# Altium PCB RFID final_backup.PcbDoc (part 2 of 4)
Units mil, origin at the board's own origin, x right, y up, seen from the top; angles counter-clockwise.
Board outline 3215.77 x 4275.01 mil, 6 copper layers (Top Layer, RF_Ground, Power, Gnd, Routing, Bottom_Gnd), stack 29.392 mil thick; 305 components, 201 nets, 970 pads, 737 vias.
Unrouted connection lines stored in the file: 2.
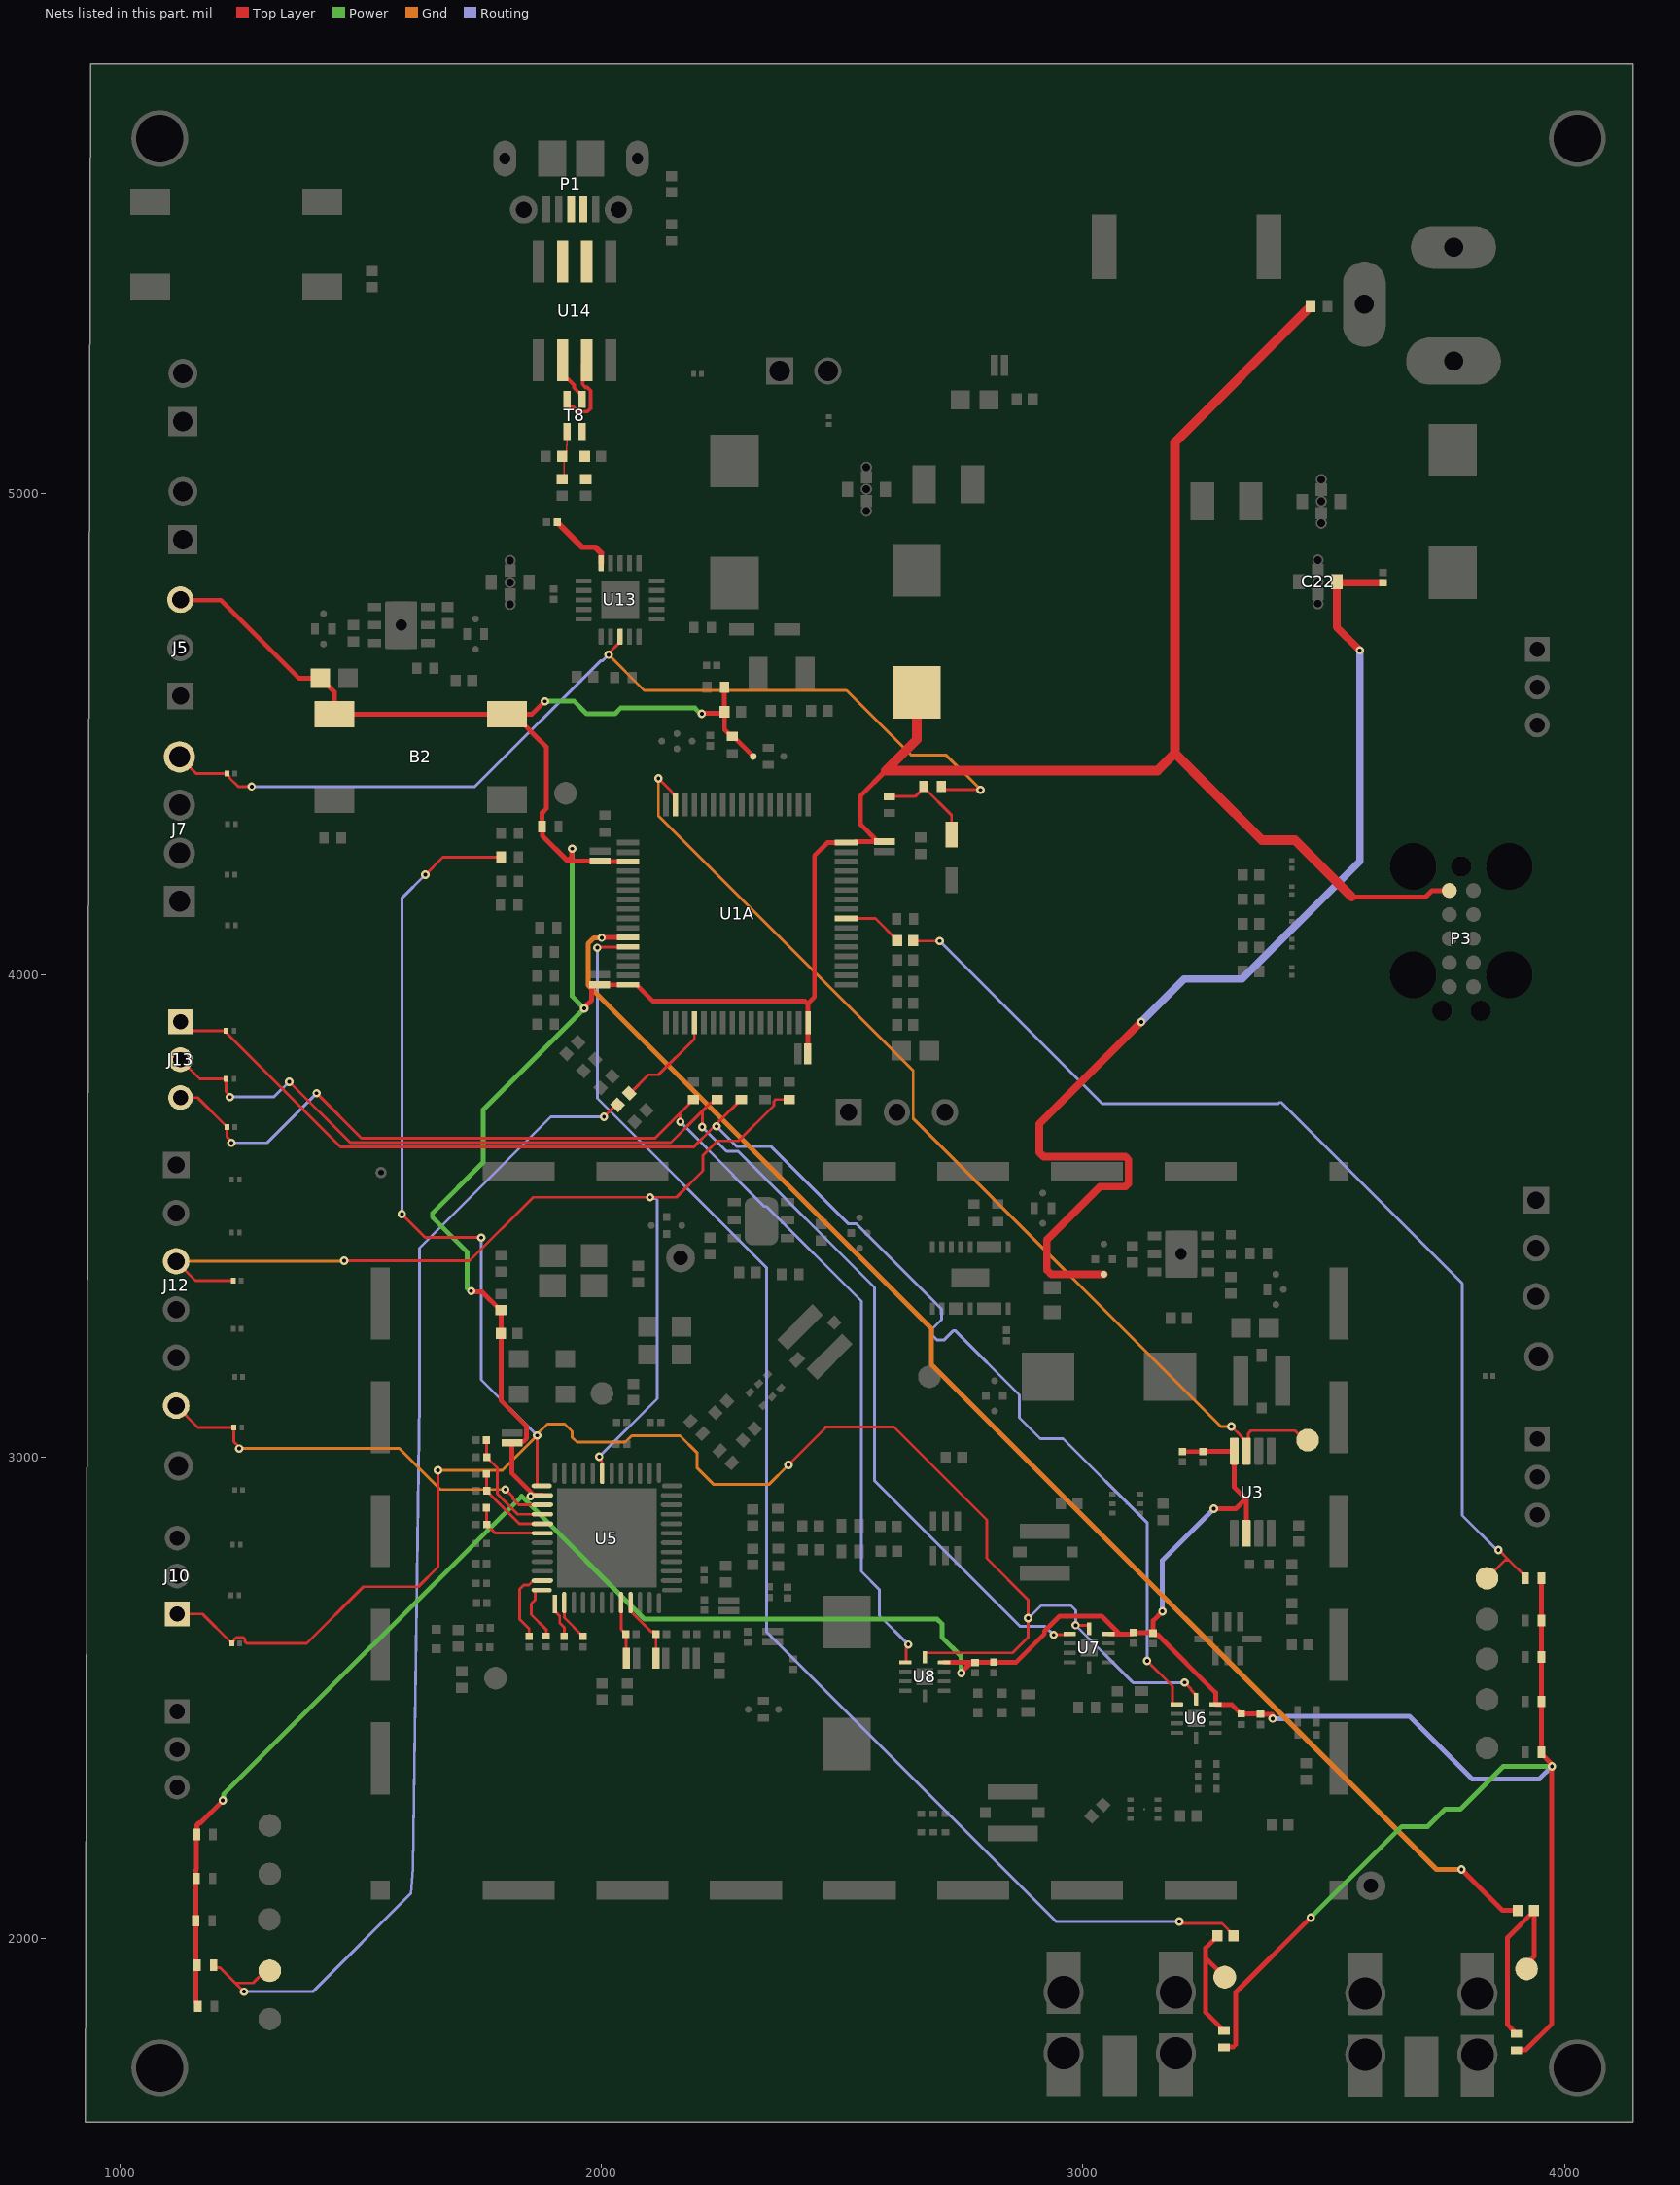
[diagram p6: the nets of this part, all layers, seen from the top]

## Part data
B1 B2: library part TL3301AF160QG, "Tactile Switch SPST-NO Top Actuated Surface Mount", Package=None, Check_prices=https://www.snapeda.com/parts/TL3301AF160QG/E-Switch/view-part/?ref=eda, Digi-Key_Part_Number=EG2526TR-ND, MF=E-Switch, MP=TL3301AF160QG, Purchase-URL=https://pricing.snapeda.com/search/part/TL3301AF160QG/?ref=eda, SnapEDA_Link=https://www.snapeda.com/parts/TL3301AF160QG/E-Switch/view-part/?ref=snap
BZ1: library part PKMCS0909E4000-R1, "Buzzers Transducer, Externally Driven Piezo 1.5V 4kHz 65dB @ 1.5V, 10cm Surface Mount Solder Pads", Package="SMD-2 Murata", Arrow_Electronics-Purchase-URL=https://snapeda.com/shop?store=Arrow+Electronics&id=4970136, Digi-Key_Part_Number=490-9647-1-ND, DigiKey-Purchase-URL=https://snapeda.com/shop?store=DigiKey&id=4970136, MF=Murata, Mouser-Purchase-URL=https://snapeda.com/shop?store=Mouser&id=4970136, MP=PKMCS0909E4000-R1, SnapEDA_Link=https://www.snapeda.com/parts/PKMCS0909E4000-R1/Murata/view-part/4970136/?ref=snap
C1 C3: library part GRM1555C1H1R2WA01D, "SMD Capacitor C0G_EIA_ with Capacitance: 1.2pF Tol. 0.05pF. Rated Voltage: 50Vdc", Package="1005 Taiyo Yuden", Availability=Unavailable, MF="Murata Electronics", MP=GRM1555C1H1R2WA01D, Price=None, SnapEDA_Link=https://www.snapeda.com/parts/GRM1555C1H1R2WA01D/Murata%20Electronics%20North%20America/view-part/1837628/?ref=snap
C2 C8 C16 C39 C41 C43 C45 C47 C49 C91 C104: library part NFM18PS474R0J3D, "Capacitor", Capacitance=470nF, Case Code (Imperial)=0603, Case Code (Metric)=1608, Current=2A, DC Resistance (DCR)=30mR, Insulation Resistance=1GR, Max Operating Temperature=125°C, Max Voltage Rating (DC)=6.3V, Min Operating Temperature=-55°C, Package Quantity=1, Tolerance=20%, Voltage=100V, Case/Package=0603, Current Rating=2A, Depth=0.8mm, Height=0.6mm, Lead Free="Lead Free", Length=1.6mm, Max Current Rating=2A, Mount="Surface Mount", Packaging="Tape and Reel", Radiation Hardening=No, REACH SVHC="No SVHC", Termination=Flat, Voltage Rating=6.3V, Voltage Rating (DC)=6.3V, Width=0.8mm
C4 C5: library part GRM1555C1H150GA01D, "0402 15 pF 50 V Â±2% Tolerance C0G SMT Multilayer Ceramic Capacitor", Package=None, Availability=Unavailable, MP=GRM1555C1H150GA01D, Price=None
C6 C7: library part GJM1555C1H5R6CB01D, "SMD Capacitor C0G(EIA) with Capacitance: 5.6pF Tol. 0.25pF. Rated Voltage: 50Vdc", Package="1005 Taiyo Yuden", Availability=Good, Check_prices=https://www.snapeda.com/parts/GJM1555C1H5R6CB01D/Murata/view-part/4376987/?ref=eda, MF=Murata, MP=GJM1555C1H5R6CB01D, Price=None, Purchase-URL=https://pricing.snapeda.com/search/part/GJM1555C1H5R6CB01D/?ref=eda, SnapEDA_Link=https://www.snapeda.com/parts/GJM1555C1H5R6CB01D/Murata/view-part/4376987/?ref=snap
C9 C10: library part GRM1555C2A4R7CA01D, "Cap Ceramic 4.7pF 100V C0G 0.25pF SMD 0402 125Â°C Paper T/R", Package=None, Availability=Unavailable, MP=GRM1555C2A4R7CA01D, Price=None
C11 C20 C92: library part ECASD41C106M060K00, "10 ÂµF 16 V Aluminum - Polymer Capacitors 2917 (7343 Metric) 60mOhm 1000 Hrs @ 105Â°C", Package="2917 Murata", Check_prices=https://www.snapeda.com/parts/ECASD41C106M060K00/Murata+Electronics+North+America/view-part/?ref=eda, MF="Murata Electronics", MP=ECASD41C106M060K00, SnapEDA_Link=https://www.snapeda.com/parts/ECASD41C106M060K00/Murata+Electronics+North+America/view-part/?ref=snap
C12 C14 C53 C57 C58 C60 C62 C64 C68 C70 C76 C95: library part GRM0335C1H121JA01D, "0201 120 pF 50 V Â±5% Tolerance C0G SMT Multilayer Ceramic Capacitor", Package="0603 Taiyo Yuden", Availability="In Stock", Check_prices=https://www.snapeda.com/parts/GRM0335C1H121JA01D/Murata%20Electronics%20North%20America/view-part/1767262/?ref=eda, MF="Murata Electronics", MP=GRM0335C1H121JA01D, Price=None, Purchase-URL=https://pricing.snapeda.com/search/part/GRM0335C1H121JA01D/?ref=eda, SnapEDA_Link=https://www.snapeda.com/parts/GRM0335C1H121JA01D/Murata%20Electronics%20North%20America/view-part/1767262/?ref=snap
C13 C15 C18 C19 C24 C26 C30 C33 C52 C59 C61 C63 C66 C71 C73 C75 C78 C84 C85 C87 C89 C90 C105: library part GRM033R60J225ME15D, "SMD Capacitor X5R(EIA) with Capacitance: 2.2uF Tol. 20%. Rated Voltage: 6.3Vdc", Package=None, Availability=Unavailable, MP=GRM033R60J225ME15D, Price=None
C17: library part GRM155R71H222KA01D, "SMD capacitor X7R(EIA) with capacitance 2200pF Tol.10%. Rated voltage 50Vdc 125C", Package="1005 Taiyo Yuden", Availability=Good, MF=Murata, MP=GRM155R71H222KA01D, Price=None, Purchase-URL=https://pricing.snapeda.com/search/part/GRM155R71H222KA01D/?ref=eda, SnapEDA_Link=https://www.snapeda.com/parts/GRM155R71H222KA01D/Murata%20Electronics%20North%20America/view-part/326477/?ref=snap
C21 C22 C96 C99: library part NFM21PC105B1A3D, "SMD Capacitor with Capacitance: 1.0uF Tol. 20%. Rated Voltage: 10Vdc", Package=NONSTANDARD, Availability=Unavailable, MF=Murata, MP=NFM21PC105B1A3D, Price=None, SnapEDA_Link=https://www.snapeda.com/parts/NFM21PC105B1A3D/Murata/view-part/4380627/?ref=snap
C23 C106: library part ECASD41C685M070K00, "6.8 µF 16 V Aluminum - Polymer Capacitors 2917 (7343 Metric) 70mOhm 1000 Hrs @ 105°C", Package="2917 Murata", Check_prices=https://www.snapeda.com/parts/ECASD41C685M070K00/Murata/view-part/?ref=eda, MF=Murata, MP=ECASD41C685M070K00, SnapEDA_Link=https://www.snapeda.com/parts/ECASD41C685M070K00/Murata/view-part/?ref=snap
C25 C50: library part GRM155R71C104KA88D, "SMD Capacitor X7R_EIA_ with Capacitance: 0.10uF Tol. 10%. Rated Voltage: 16Vdc", Package="1005 Taiyo Yuden", MF=Murata, MP=GRM155R71C104KA88D, SnapEDA_Link=https://www.snapeda.com/parts/GRM155R71C104KA88D/Murata%20Electronics%20North%20America/view-part/4750/?ref=snap
C27 C28 C29 C31 C67 C69 C77 C83 C86 C88 C98: library part LLL153C80J104ME01E, "SMD Capacitor X6S(EIA) with Capacitance: 0.10uF Tol. 20%. Rated Voltage: 6.3Vdc", Package="0510 Murata", Availability=Good, MF=Murata, MP=LLL153C80J104ME01E, Price=None, Purchase-URL=https://pricing.snapeda.com/search/part/LLL153C80J104ME01E/?ref=eda, SnapEDA_Link=https://www.snapeda.com/parts/LLL153C80J104ME01E/Murata/view-part/4376162/?ref=snap
C32 C35 C36 C54 C65 C93 C94 C107 C108 C109 C112: library part GRM1555C1H820GA01J, "CAP CER 82PF 50V C0G/NP0 0402", Package=None, Availability=Unavailable, MP=GRM1555C1H820GA01J, Price=None
C34 C72 C74: library part GRM0335C1H300GA01D, "SMD Capacitor C0G(EIA) with Capacitance: 30pF Tol. 2%. Rated Voltage: 50Vdc", Package=None, Availability=Unavailable, MP=GRM0335C1H300GA01D, Price=None
C37: library part GRM1555C1H3R6BA01D, "SMD Capacitor C0G(EIA) with Capacitance: 3.6pF Tol. 0.1pF. Rated Voltage: 50Vdc", Package="1005 Taiyo Yuden", Availability=Warning, MF="Murata Electronics", MP=GRM1555C1H3R6BA01D, Price=None, Purchase-URL=https://pricing.snapeda.com/search/part/GRM1555C1H3R6BA01D/?ref=eda, SnapEDA_Link=https://www.snapeda.com/parts/GRM1555C1H3R6BA01D/Murata%20Electronics%20North%20America/view-part/1837607/?ref=snap
C38 C40 C42 C44 C46 C48: library part GRM155R60J225ME95D, "CAPACITOR, MLCC, X5R, 2.2UF, 6.3V, 0402", Package=None, Availability=Unavailable, MP=GRM155R60J225ME95D, Price=None
C51: library part GRM155R6YA224KE01D, "CAP CER 0.22UF 35V X5R 0402", Package=None, Availability=Unavailable, MP=GRM155R6YA224KE01D, Price=None
C55: library part GRM1557U1A392JA01D, "0402 10 V 3900 pF ±5% Tolerance U2J Monolithic Ceramic Chip Capacitor", Package="1005 Taiyo Yuden", Check_prices=https://www.snapeda.com/parts/GRM1557U1A392JA01D/Murata+Electronics+North+America/view-part/?ref=eda, MF=Murata, MP=GRM1557U1A392JA01D, SnapEDA_Link=https://www.snapeda.com/parts/GRM1557U1A392JA01D/Murata+Electronics+North+America/view-part/?ref=snap
C56: library part GRM1555C1H151FA01D, "Cap Ceramic 150pF 50V C0G 1% SMD 0402 125Â°C Paper T/R", Package=None, Availability=Unavailable, MP=GRM1555C1H151FA01D, Price=None
C79 C80 C81 C82: library part GRM033R71A103KA01D, "SMD Capacitor X7R(EIA) with Capacitance: 10000pF Tol. 10%. Rated Voltage: 10Vdc", Package="0603 Taiyo Yuden", Availability=Unavailable, Check_prices=https://www.snapeda.com/parts/GRM033R71A103KA01D/Murata/view-part/4379446/?ref=eda, MF=Murata, MP=GRM033R71A103KA01D, Price=None, SnapEDA_Link=https://www.snapeda.com/parts/GRM033R71A103KA01D/Murata/view-part/4379446/?ref=snap
C97: library part GRM188R61A475KE15D, "SMD Capacitor X5R(EIA) with Capacitance: 4.7uF Tol. 10%. Rated Voltage: 10Vdc", Package="1608 Murata", Availability=Bad, MF=Murata, MP=GRM188R61A475KE15D, Price=None, SnapEDA_Link=https://www.snapeda.com/parts/GRM188R61A475KE15D/Murata%20Electronics%20North%20America/view-part/523427/?ref=snap
C100: library part GRM1555C1H4R0CA01D, "Cap Ceramic 4pF 50V C0G 0.25pF SMD 0402 125Â°C Paper T/R", Package=None, Availability=Unavailable, MP=GRM1555C1H4R0CA01D, Price=None
C101 C102: library part GRM1555C1H470FA01D, "CAP, MLCC, C0G, 47PF, 50V, 0402", Package=None, Availability=Unavailable, MP=GRM1555C1H470FA01D, Price=None
C103: library part GRM033C80J104KE15D, "SMD capacitor X6S(EIA) with capacitance 0.10uF Tol.10%. Rated voltage 6.3Vdc 105C", Package="0603 Taiyo Yuden", Availability="In Stock", Check_prices=https://www.snapeda.com/parts/GRM033C80J104KE15D/Murata+Electronics+North+America/view-part/?ref=eda, MF="Murata Electronics", MP=GRM033C80J104KE15D, Price=None, Purchase-URL=https://pricing.snapeda.com/search/part/GRM033C80J104KE15D/?ref=eda, SnapEDA_Link=https://www.snapeda.com/parts/GRM033C80J104KE15D/Murata+Electronics+North+America/view-part/?ref=snap
C110 C111: library part GJM1555C1H110GB01D, "SMD Capacitor C0G(EIA) with Capacitance: 11pF Tol. 2%. Rated Voltage: 50Vdc", Package="1005 Taiyo Yuden", Digi-Key_Part_Number=490-6072-1-ND, MF=Murata, MP=GJM1555C1H110GB01D, Purchase-URL=https://pricing.snapeda.com/search/part/GJM1555C1H110GB01D/?ref=eda, SnapEDA_Link=https://www.snapeda.com/parts/GJM1555C1H110GB01D/Murata/view-part/4385613/?ref=snap
D1 D2 D3 D4 D5 D6 D7 D8 D11 D12 D13 D16 D17: library part LNJ947W8CRA, "Blue 472nm LED Indication - Discrete 2.9V 0402 (1005 Metric)", Package="0402 Panasonic", Check_prices=https://www.snapeda.com/parts/LNJ947W8CRA/Panasonic+Electronic+Components/view-part/?ref=eda, MF="Panasonic Electronic", MP=LNJ947W8CRA, SnapEDA_Link=https://www.snapeda.com/parts/LNJ947W8CRA/Panasonic+Electronic+Components/view-part/?ref=snap
D9 D10: "Diode Schottky 10 V 3A (DC) Surface Mount SOD-323", Package="SOD-323 STMicroelectronics", Availability="In Stock", Check_prices=https://www.snapeda.com/parts/BAT60JFILM/STMicroelectronics/view-part/?ref=eda, MF=STMicroelectronics, MP=BAT60JFILM, Price=None, Purchase-URL=https://pricing.snapeda.com/search?q=BAT60JFILM&ref=eda, SnapEDA_Link=https://www.snapeda.com/parts/BAT60JFILM/STMicroelectronics/view-part/?ref=snap
D15: library part LNJ247W82RA, "Red 630nm LED Indication - Discrete 1.95V 0402 (1005 Metric)", Package="0402 Panasonic", Availability="In Stock", Check_prices=https://www.snapeda.com/parts/LNJ247W82RA/Panasonic+Electronic+Components/view-part/?ref=eda, MF="Panasonic Electronic", MP=LNJ247W82RA, Price=None, Purchase-URL=https://pricing.snapeda.com/search?q=LNJ247W82RA&ref=eda, SnapEDA_Link=https://www.snapeda.com/parts/LNJ247W82RA/Panasonic+Electronic+Components/view-part/?ref=snap
D20 D21 D22 D23 D24 D25 D26 D27 D28 D29 D30 D31 D32 D33 D34 D35 D36 D37 D38 D45 D47 D48 D49 D50 D52: library part ESDAXLC6-1BU2, "17V Clamp 1A (8/20Âµs) Ipp Tvs Diode Surface Mount ST0201", Package="0201 STMicroelectronics", Check_prices=https://www.snapeda.com/parts/ESDAXLC6-1BU2/STMicroelectronics/view-part/?ref=eda, MF=STMicroelectronics, MP=ESDAXLC6-1BU2, SnapEDA_Link=https://www.snapeda.com/parts/ESDAXLC6-1BU2/STMicroelectronics/view-part/?ref=snap
FB1: library part BLM15PX331SN1D, "330 Ohms @ 100MHz 1 Power Line Ferrite Bead 0402 (1005 Metric) 1.2A 150mOhm", Package="1005 Taiyo Yuden", Availability=Good, MF="Murata Electronics", MP=BLM15PX331SN1D, Price=None, Purchase-URL=https://pricing.snapeda.com/search/part/BLM15PX331SN1D/?ref=eda, SnapEDA_Link=https://www.snapeda.com/parts/BLM15PX331SN1D/Murata/view-part/2723257/?ref=snap
FB2 FB7: library part NFZ32BW310HN11L, "31 Ohms @ 1MHz 1 Ferrite Bead 2-SMD, Flat Lead 1.2A 186mOhm", Package="SMD-2 Murata", Availability=Warning, MF=Murata, MP=NFZ32BW310HN11L, Price=None, Purchase-URL=https://pricing.snapeda.com/search/part/NFZ32BW310HN11L/?ref=eda, SnapEDA_Link=https://www.snapeda.com/parts/NFZ32BW310HN11L/Murata/view-part/2726849/?ref=snap
FB3 FB4 FB5: library part BLM15HG102SN1D, "1 kOhms @ 100MHz 1 Signal Line Ferrite Bead 0402 _1005 Metric_ 250mA 1.1Ohm", Package="1005 Taiyo Yuden", Digi-Key_Part_Number=490-3999-1-ND, Digi-Key_Purchase_URL=https://www.digikey.com/product-detail/en/murata-electronics/BLM15HG102SN1D/490-3999-1-ND/1016259?utm_source=snapeda&utm_medium=aggregator&utm_campaign=symbol, MF=Murata, MP=BLM15HG102SN1D, SnapEDA_Link=https://www.snapeda.com/parts/BLM15HG102SN1D/Murata/view-part/270056/?ref=snap
J1 J3 J6 J9: library part MS-156HF(01), "Coaxial Switch - 4mm Plug Dia Connector Receptacle, Female Socket 50Ohm Surface Mount Solder", Package=None, Availability=Unavailable, MF="Hirose Electric", MP=MS-156HF(01), Price=None, SnapEDA_Link=https://www.snapeda.com/parts/MS-156HF(01)/Hirose%20Electric%20Co%20Ltd/view-part/1243878/?ref=snap
J2 J8 J10 J13 J15: library part CMP-05379-000003-1, "CONN HEADER VERT 3POS 2MM", Current Rating=2A, Manufacturer=3M, Temperature="-55°C to +125°C", Temperature Range High=+125°C, Temperature Range Low=-55°C, Automotive=No, Category=Conn, ComponentLink2Description=Datasheet, ComponentLink2URL=http://multimedia.3m.com/mws/media/1400506O/3m-pin-strip-header-951-series-78-5100-2653-3.pdf, Conn Gender=Male, Conn Orientation=Straight, Contact Material=Gold,Nickel, Device Class L1=Connectors, Device Class L2="Headers and Wire Housings", Device Class L3=unset, Digikey Description="CONN HEADER VERT 3POS 2MM", Height=6.3mm, Lead Free=Yes, Manufacturer Part Number=951103-8622-AR, Mouser Description="Header; PinStrip; CopperAlloy; HighTempThermoplastic; 3Cnts; 1A; RtAngle; 951Series", Number Of Contacts=3, Number Of Rows=1, Octopart=https://octopart.com/951103-8622-ar-3m-14400669, Package=951103-8622-AR, Pitch=2mm, RoHS=TRUE
J4 J11: "Connector Header Through Hole 1 position", Package=None, Availability="In Stock", Check_prices=https://www.snapeda.com/parts/MTSW-101-22-T-S-400/Samtec/view-part/?ref=eda, MF=Samtec, MP=MTSW-101-22-T-S-400, Price=None, Purchase-URL=https://pricing.snapeda.com/search/part/MTSW-101-22-T-S-400/?ref=eda, SnapEDA_Link=https://www.snapeda.com/parts/MTSW-101-22-T-S-400/Samtec/view-part/?ref=snap
J5 J20 J21: "Header; Conn; Interconnect System; PCB Plug; 3 Cont; Thru-Hole; Breakaway; Straight; 3A", Package=None, Availability=Unavailable, Centerline_Pitch="2.54 mm[.1 in]", MF="TE Connectivity", MP=5-146280-3, Number_of_Positions=3, Price=None, Product_Type=Connector, SnapEDA_Link=https://www.snapeda.com/parts/5-146280-3/TE%20Connectivity%20AMP%20Connectors/view-part/2778485/?ref=snap, TE_purchase_URL=https://www.te.com/usa-en/product-5-146280-3.html?te_bu=Cor&te_type=disp&te_campaign=seda_glo_cor-seda-global-disp-prtnr-fy19-seda-model-bom-cta_sma-317_1&elqCampaignId=32493
J7: "Headers & Wire Housings 10129378-904005BLF-HEADER SR VT TH 1*4", Package=None, Availability="In Stock", Check_prices=https://www.snapeda.com/parts/10129378-904005BLF/Amphenol/view-part/?ref=eda, MF=Amphenol, MP=10129378-904005BLF, Price=None, Purchase-URL=https://pricing.snapeda.com/search/part/10129378-904005BLF/?ref=eda, SnapEDA_Link=https://www.snapeda.com/parts/10129378-904005BLF/Amphenol/view-part/?ref=snap
J12: Package=None, Availability=Unavailable, MP=2267062-6, Price=None
J14: "2.0 x 6.5 mm, 2.5 A, Horizontal, Through Hole, Dc Power Jack Connector", Package=None, Availability="In Stock", Check_prices=https://www.snapeda.com/parts/PJ-002A/CUI+Devices/view-part/?ref=eda, CUI_purchase_URL=https://www.cuidevices.com/product/interconnect/connectors/dc-power-connectors/jacks/pj-002a?utm_source=snapeda.com&utm_medium=referral&utm_campaign=snapedaBOM, MF="CUI Devices", MP=PJ-002A, Price=None, Purchase-URL=https://pricing.snapeda.com/search/part/PJ-002A/?ref=eda, SnapEDA_Link=https://www.snapeda.com/parts/PJ-002A/CUI+Devices/view-part/?ref=snap
J30 J31: "Header; Breakaway; 0.100 in.; PC Board; Single; 2; 0.025 in.; 0.12 in.; 3 A", Package=None, Availability=Unavailable, Centerline_Pitch="2.54 mm[.1 in]", EU_RoHS_Compliance=Compliant, MF="TE Connectivity", MP=5-146281-2, Number_of_Positions=2, Price=None, Product_Type=Connector, SnapEDA_Link=https://www.snapeda.com/parts/5-146281-2/TE%20Connectivity%20AMP%20Connectors/view-part/457165/?ref=snap
L1 L2 L3 L4: library part LQW15AN30NG00D, "Inductor with Inductance: 30nH Tol. +/-2%, Package: 0402 (1005)", Package="1005 Murata", Digi-Key_Part_Number=490-6802-1-ND, DigiKey-Purchase-URL=https://snapeda.com/shop?store=DigiKey&id=1502539, MF=Murata, MP=LQW15AN30NG00D, SnapEDA_Link=https://www.snapeda.com/parts/LQW15AN30NG00D/Murata%20Electronics%20North%20America/view-part/1502539/?ref=snap
L10 L15: library part LQW15AN3N6C10D, "FIXED IND 3.6NH 900MA 40 MOHM", Package=None, Availability=Unavailable, MP=LQW15AN3N6C10D, Price=None
L11: library part LQW15AN6N8G00D, "Inductor with Inductance: 6.8nH Tol. +/-2%, Package: 0402 (1005)", Package="1006 Murata", Arrow_Electronics-Purchase-URL=https://snapeda.com/shop?store=Arrow+Electronics&id=555756, Availability=Good, DigiKey-Purchase-URL=https://snapeda.com/shop?store=DigiKey&id=555756, MF=Murata, Mouser-Purchase-URL=https://snapeda.com/shop?store=Mouser&id=555756, MP=LQW15AN6N8G00D, Price=None, SnapEDA_Link=https://www.snapeda.com/parts/LQW15AN6N8G00D/Murata%20Electronics%20North%20America/view-part/555756/?ref=snap
L12: library part LQW15AN5N6C10D, "Ind RF Chip Wirewound 5.6nH 0.2nH 100MHz 30Q-Factor 800mA 0402 Paper T/R", Package=None, Availability=Unavailable, MP=LQW15AN5N6C10D, Price=None
P1: library part 1050170001, "USB - micro B USB 2.0 Receptacle Connector 5 Position Surface Mount, Right Angle; Through Hole", Package=None, Check_prices=https://www.snapeda.com/parts/1050170001/Molex/view-part/?ref=eda, MF=Molex, MP=1050170001, SnapEDA_Link=https://www.snapeda.com/parts/1050170001/Molex/view-part/?ref=snap
P2: "2.54mm Pitch SL Header, Single Row, Right-Angle, LCP, Shrouded, Through Hole, Matte Tin (Sn) Plating, 2 Circuits", Package=None, Availability=Unavailable, MP=1719740002, Price=None
P3: library part 8.06.04_J-LINK_NEEDLE_ADAPTER, "J-LINK 10-PIN NEEDLE ADAPTER", Package=None, Availability="No availability data", Check_prices=https://www.snapeda.com/parts/8.06.04%20J-LINK%20NEEDLE%20ADAPTER/Segger%20Microcontroller%20Systems/view-part/2780259/?ref=eda, MF="Segger Microcontroller", MP="8.06.04 J-LINK NEEDLE ADAPTER", Price=None, SnapEDA_Link=https://www.snapeda.com/parts/8.06.04%20J-LINK%20NEEDLE%20ADAPTER/Segger%20Microcontroller%20Systems/view-part/2780259/?ref=snap
P4 P5: "SMB Connector Jack, Male Pin 50Ohm Board Edge, End Launch Solder", Package=None, Availability=Unavailable, MP=903-723J-51S, Price=None
R1 R2 R3 R54 R55: library part RC0603JR-070RL, "Thick film general purpose", Package=None, Availability=Unavailable, MP=RC0603JR-070RL, Price=None
R4 R5 R14 R15 R17 R18 R19 R42 R46 R50 R51 R52 R53 R64 R65 R66 R81 R82 R83: library part RC0402JR-07220RL, "220 Ohms ±5% 0.063W, 1/16W Chip Resistor 0402 (1005 Metric) Moisture Resistant Thick Film", Package="1005 Panasonic Electronic Components", Check_prices=https://www.snapeda.com/parts/RC0402JR-07220RL/Yageo/view-part/?ref=eda, MF=Yageo, MP=RC0402JR-07220RL, SnapEDA_Link=https://www.snapeda.com/parts/RC0402JR-07220RL/Yageo/view-part/?ref=snap
R6 R7 R8 R9 R10 R11 R12 R13 R20 R34 R36 R37 R38 R39 R40 R43 R56 R57 R58 R89 R90 R91 R92 R93: library part RC0402JR-070RL, Package=None, Availability=Unavailable, MF="{'manufacturer': u'YAGEO'}", MP=RC0402JR-070RL, Price=None
R16 R27 R29 R31 R61: library part RC0402FR-0710KL, "10 kOhms Â±1% 0.063W, 1/16W Chip Resistor 0402 (1005 Metric) Moisture Resistant Thick Film", Package="0402 Yageo", Availability="In Stock", Check_prices=https://www.snapeda.com/parts/RC0402FR-0710KL/Yageo/view-part/?ref=eda, MF=Yageo, MP=RC0402FR-0710KL, Price=None, Purchase-URL=https://pricing.snapeda.com/search?q=RC0402FR-0710KL&ref=eda, SnapEDA_Link=https://www.snapeda.com/parts/RC0402FR-0710KL/Yageo/view-part/?ref=snap